# Altium PCB HVSUP_ISOL_Mainboard.PCBDOC (part 3 of 3)
Units mm, origin at the board's own origin, x right, y up, seen from the top; angles counter-clockwise.
Board outline 222.63 x 100.1 mm, 4 copper layers (Top, L2, L3, Bot), stack 1.6 mm thick; 185 components, 125 nets, 636 pads, 623 vias.
Unrouted connection lines stored in the file: 1.
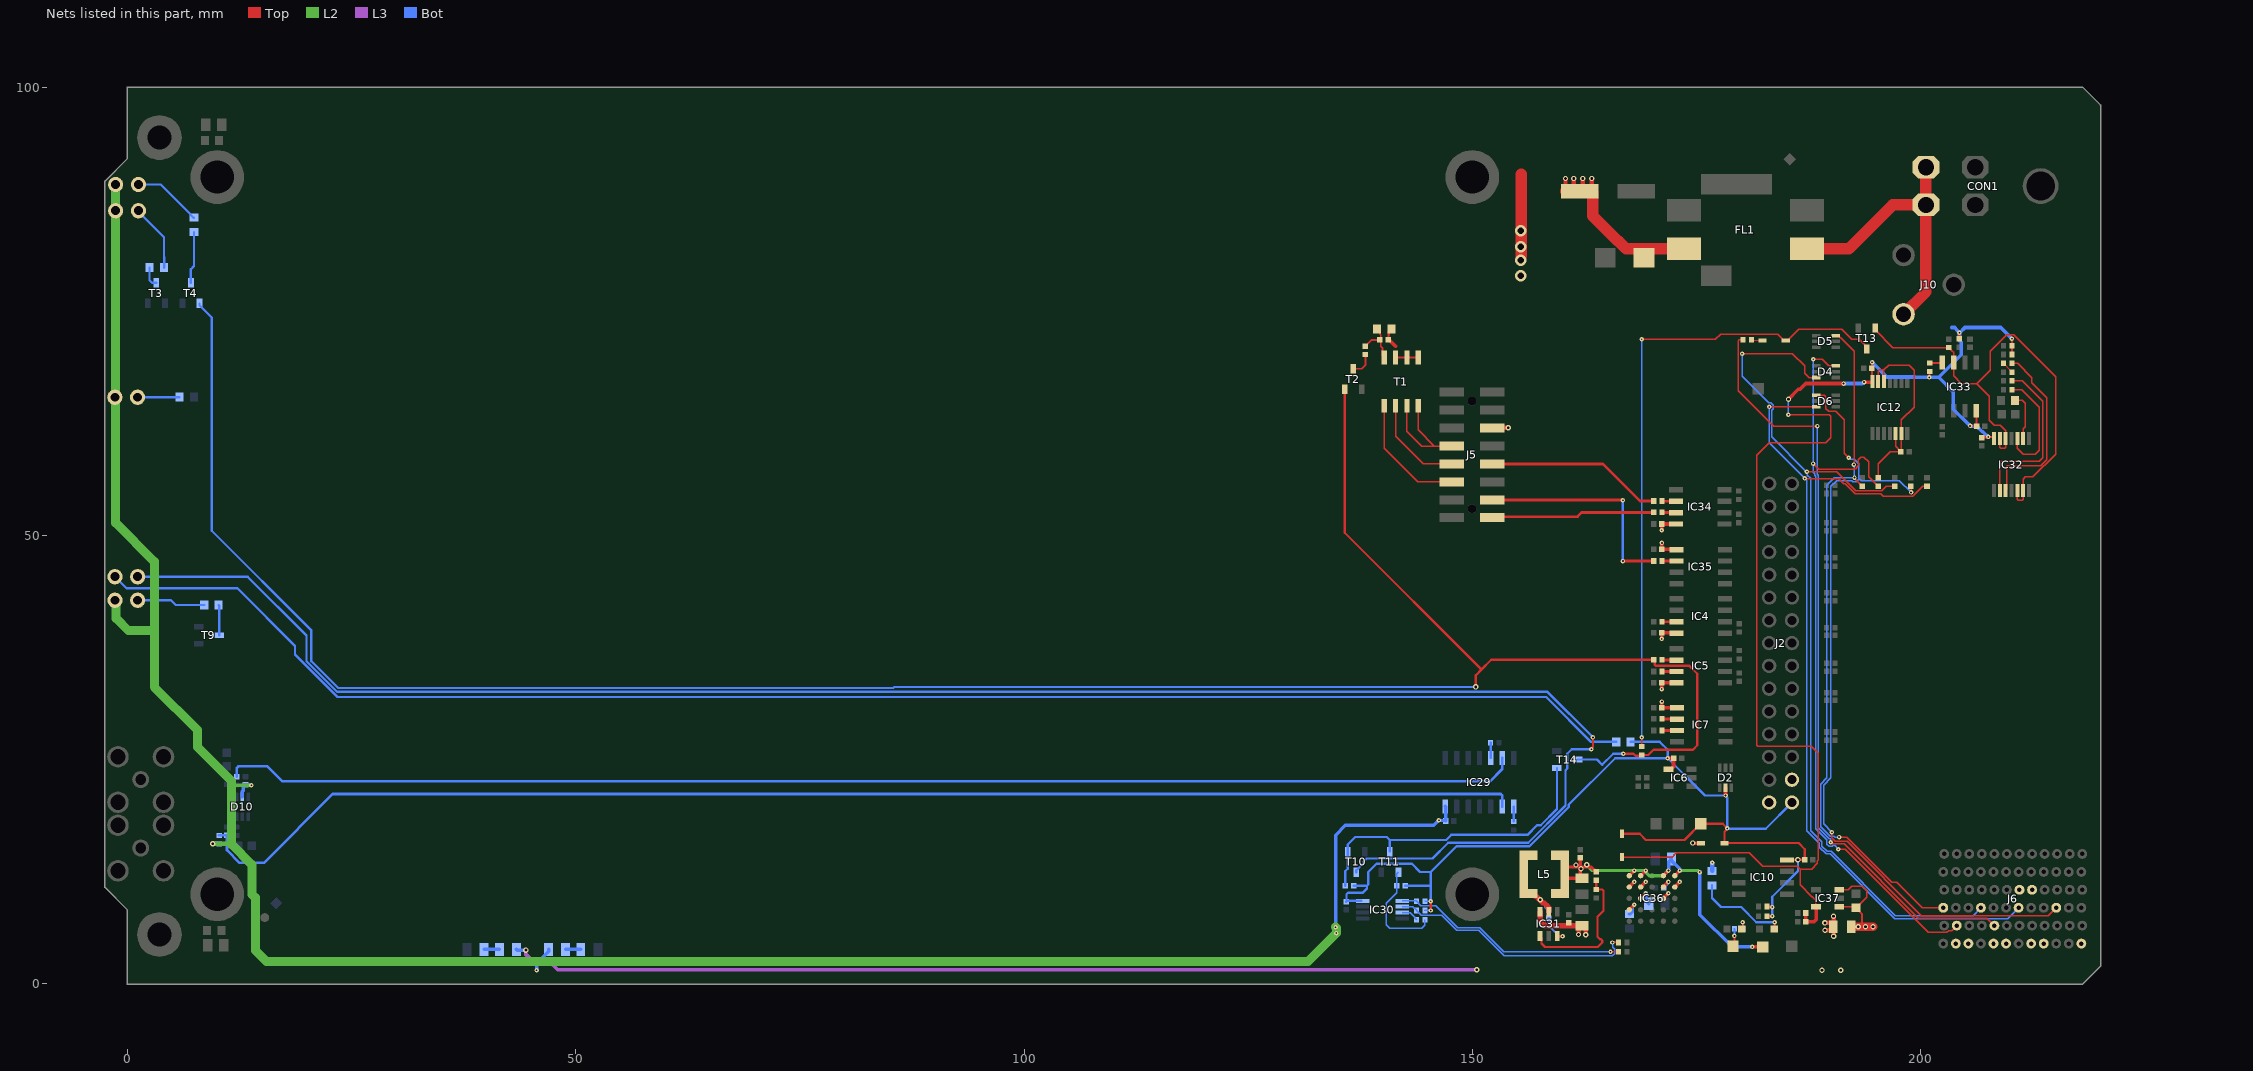
[diagram p5: the nets of this part, all layers, seen from the top]

## Via types
v1: diameter 0.5, hole 0.2, Top to Bot, tented both sides, 473 vias
v2: diameter 0.5, hole 0.2, Top to Bot, 85 vias
v3: diameter 0.6, hole 0.3, Top to Bot, 54 vias
v4: diameter 0.8, hole 0.5, Top to Bot, 5 vias
v5: diameter 1.27, hole 0.711, Top to Bot, tented both sides, 4 vias
v6: diameter 0.6, hole 0.3, Top to Bot, tented both sides, 2 vias

## Nets (pads, with @x,y where several pads share a name; then routed paths per layer and width w, separated by ;. In a path a pad name is that pad's centre, name@x,y a point inside that pad or via, vN(x,y) a via of type N, cw(c..) or ccw(c..) an arc to the next point about the centre after c; other vN are vias at no path point) (continued)
NetC99_1: C99.1 R132.1 R134.2 T1.4 | length 5.6
  Top w0.2: R134.2@138.075,71.14 138.095,71.14 138.285,71.33 138.285,71.35 138.78,71.845 C99.1@139.7,71.845 C99.1@139.788,71.845 ; R132.1@139.7,73.25 139.7,72.475 139.788,72.387 C99.1@139.788,71.845 ; T1.4@140.17,69.895 139.97,70.095 139.97,70.96 139.788,71.142 C99.1@139.788,71.845
NetC100_1: C100.1 IC31.6 | length 3.5
  Top w0.254: IC31.6@159.475,5.35 159.5,5.325 v2(160.075,5.325)
  Bot w0.254: C100.1@158.525,7.35 158.525,6.5 159.7,5.325 v2(160.075,5.325)
NetC100_2: C100.2 IC31.2 L5.1 | length 4.4
  Top w0.6: L5.1@156.751,10.064 157.067,9.748 157.151,9.748 157.872,9.027 158.027,9.027 158.376,8.678 158.376,8.637 158.525,8.488 IC31.2@158.525,8.05
  Bot w0.381: v3(157.575,9.375) 158.191,8.759 158.191,8.584 C100.2@158.525,8.25
NetD4_3: D4.3 J6.I3 R53.2 | length 100.9
  Top w0.152: v2(180.101,70.295) 185.696,70.295 187.061,68.93 ; 187.113,68.938 187.105,68.93 187.105,68.109 187.568,67.645 D4.3@188.343,67.645 ; v1(187.325,57.125) 190.665,57.125 192.761,55.029 195.695,55.029 196.188,55.522 R53.2@197.108,55.522 R53.2@197.112,55.517
  Bot w0.152: v2(180.101,70.295) 180.101,67.779 183.056,64.824 183.302,64.824 183.567,64.558 183.567,64.183 183.393,64.009 183.393,61.011 187.28,57.125 187.354,57.125 187.392,57.087 187.392,56.722 187.731,56.383 187.731,17.082 188.981,15.833 188.981,15.374 189.573,14.782 190.032,14.782 197.199,7.615 205.853,7.615 J6.I3@206.739,8.5
NetD4_6: D4.6 J6.K2 R54.2 | length 87.4
  Top w0.152: v1(188.012,58.044) 188.653,57.404 192.588,57.404 192.659,57.474 192.751,57.474 193.016,57.74 193.016,57.832 193.112,57.927 193.112,58.053 193.042,58.123 193.042,58.498 193.307,58.764 193.686,58.764 194.228,58.222 194.228,56.575 195.281,55.522 R54.2@195.301,55.522 ; v1(188.04,69.672) 189.058,69.672 189.785,68.945 D4.6@190.543,68.945 ; v1(190.817,15.032) 191.587,15.032 200.871,5.747 202.951,5.747 203.127,5.924 203.462,5.924 J6.K2@204.039,6.5
  Bot w0.152: v1(188.04,69.672) 188.026,69.658 188.026,58.059 v1(188.012,58.044) 188.012,57.473 188.057,57.428 188.057,57.084 188.214,56.927 188.214,56.745 188.319,56.64 188.319,36.864 188.291,36.836 188.291,17.312 189.539,16.064 189.539,15.606 189.804,15.34 190.179,15.34 190.281,15.442 190.407,15.442 v1(190.817,15.032)
NetD5_6: D5.6 J6.L3 R55.2 | length 77.3
  Top w0.152: D5.6@190.551,72.321 190.826,72.321 191.073,72.074 191.11,72.074 192.634,70.55 192.634,62.885 192.62,62.872 192.62,57.985 v1(192.563,57.927) ; v1(190.918,16.373) 191.748,16.373 196.776,11.346 197.361,11.346 200.207,8.5 J6.L3@202.539,8.5 ; v1@192.7,56.297 193.475,55.522 R55.2@193.495,55.522
  Bot w0.152: v1(190.918,16.373) 190.903,16.387 190.44,16.387 190.364,16.463 189.931,16.463 188.849,17.546 188.849,22.286 189.563,23 189.563,55.654 190.398,56.49 v1(192.634,56.49) 192.598,56.525 192.598,57.892 v1(192.563,57.927)
NetD6_1: D6.1 J6.C3 R51.2 | length 92.2
  Top w0.152: D6.1@188.343,65.671 189.272,65.671 189.443,65.5 189.443,64.166 189.745,63.865 190.551,63.865 191.501,62.915 191.501,59.191 v1(191.992,58.7) ; v1(190.119,16.916) 190.119,16.306 190.505,15.92 191.807,15.92 200.1,7.627 214.266,7.627 J6.C3@215.139,8.5 ; R51.2@198.914,55.522 198.945,55.49 v1(198.945,54.827)
  Bot w0.152: v1(190.119,16.916) 189.179,17.856 189.179,22.174 189.992,22.987 189.992,55.499 190.627,56.134 192.349,56.134 192.446,56.037 192.821,56.037 193.087,56.302 ; v1(191.992,58.7) 192.086,58.7 192.238,58.547 192.584,58.547 193.087,58.044 193.087,56.302 ; v1(198.945,54.827) 197.638,56.134 193.369,56.134 193.201,56.302 193.087,56.302
NetD6_3: D6.3 J6.F3 R52.2 | length 97.7
  Top w0.152: v1(183.114,64.371) 185.695,64.371 D6.3@188.343,64.371 ; v1(187.09,56.384) 187.107,56.367 190.85,56.367 191.419,55.798 191.597,55.798 192.732,54.663 195.571,54.663 195.861,54.374 199.133,54.374 199.695,54.936 199.695,54.96 200.257,55.522 R52.2@200.72,55.522
  Bot w0.152: v1(183.114,64.371) 183.114,60.391 187.09,56.416 v1(187.09,56.384) ; v1@187.106,56.4 187.325,56.18 187.325,17.094 188.702,15.718 188.702,15.259 189.457,14.503 189.916,14.503 197.144,7.275 209.714,7.275 J6.F3@210.939,8.5
NetD12_1: D12.1 R65.1 | length 1.2
  Top w0.132: R65.1@181.149,71.836 181.21,71.775 D12.1@182.365,71.775
NetIC4_7: IC4.7 R13.2 | length 1.6
  Top w0.3: R13.2@171.17,40.406 IC4.7@172.793,40.406
NetIC5_6: IC5.6 R17.2 | length 1.6
  Top w0.3: R17.2@171.17,36.15 171.185,36.135 172.768,36.135 IC5.6@172.783,36.12
NetIC5_7: IC5.7 R15.2 | length 1.6
  Top w0.3: R15.2@171.17,34.853 171.172,34.852 172.781,34.852 IC5.7@172.783,34.85
NetIC7_2: IC7.2 R18.2 | length 1.7
  Top w0.3: R18.2@171.17,29.575 171.187,29.558 172.826,29.558 IC7.2@172.843,29.541
NetIC7_3: IC7.3 R19.2 | length 1.7
  Top w0.3: R19.2@171.17,28.271 IC7.3@172.843,28.271
NetIC29_5: IC29.5 R111.1 | length 1.7
  Bot w0.254: R111.1@152.045,26.925 152.058,26.912 152.058,25.212 IC29.5@152.07,25.2
NetIC29_6: IC29.6 R110.2 | length 144.7
  Bot w0.3: R110.2@12.175,23.115 12.175,24.094 12.351,24.27 15.593,24.27 17.263,22.6 151.965,22.6 153.34,23.975 IC29.6@153.34,25.2
NetIC29_8: IC29.8 R116.1 | length 1.7
  Bot w0.254: R116.1@154.61,18.11 IC29.8@154.61,19.8
NetIC29_9: IC29.9 R113.2 R114.1 | length 149.8
  Bot w0.3: R114.1@10.2,16.57 10.205,16.575 11.08,16.575 R113.2@11.085,16.58 11.085,14.915 12.487,13.513 15.214,13.513 22.877,21.176 153.164,21.176 153.34,21 IC29.9@153.34,19.8
NetIC30_1: IC30.1 R124.1 R126.2 | length 26.5
  Top w0.15: v1(165.416,3.58) 166.287,3.58 R126.2@166.307,3.6
  Bot w0.15: IC30.1@142.175,9.266 143.73,9.266 R124.1@143.78,9.216 143.78,9.196 144.273,8.703 145.948,8.703 148.401,6.25 150.848,6.25 153.518,3.58 v1(165.416,3.58)
NetIC30_2: IC30.2 R125.1 R128.2 | length 28.1
  Top w0.15: v1(165.625,4.621) R128.2@166.307,4.621
  Bot w0.15: IC30.2@142.175,8.616 143.375,8.616 R125.1@143.78,8.211 ; R125.1@143.78,8.191 143.78,8.171 144.298,7.653 146.606,7.653 148.286,5.973 150.733,5.973 153.578,3.128 165.603,3.128 165.868,3.393 165.868,3.861 165.658,4.071 165.658,4.588 v1(165.625,4.621)
NetIC30_3: IC30.3 R127.1 | length 2
  Bot w0.15: IC30.3@142.175,7.966 142.204,7.937 143.062,7.937 143.565,7.434 143.565,7.356 R127.1@143.78,7.141
NetIC31_4: IC31.4 R135.1 R136.2 | length 16.2
  Top w0.254: IC31.4@157.575,5.35 157.723,5.202 157.723,4.522 158.12,4.125 163.995,4.125 164.492,4.621 164.492,4.832 164.343,4.981 164.25,4.981 163.954,5.276 163.954,7.495 164.625,8.166 164.625,10.385 164.476,10.534 R136.2@163.834,10.534 R135.1@163.834,11.566
NetIC33_4: IC33.4 R145.1 | length 1.5
  Top w0.254: R145.1@201.005,69.259 202.345,69.259 IC33.4@202.425,69.339
NetIC34_6: IC34.6 R10.2 | length 1.6
  Top w0.3: R10.2@171.17,53.868 171.183,53.855 172.718,53.855 IC34.6@172.732,53.841
NetIC34_7: IC34.7 R161.2 | length 1.6
  Top w0.3: R161.2@171.17,52.596 171.182,52.584 172.719,52.584 IC34.7@172.732,52.571
NetIC35_2: IC35.2 R11.2 | length 1.6
  Top w0.381: R11.2@171.17,47.175 IC35.2@172.782,47.175
NetIC36_B2: IC36.B2 R159.2 | length 1.7
  Top w0.381: IC36.B2@171.32,10.81 171.32,10.815 171.88,11.375 v2(171.88,11.38)
  Bot w0.381: R159.2@171.348,10.734 171.348,10.754 171.857,11.263 171.857,11.357 v2(171.88,11.38)
NetIC36_E4: IC36.E4 R160.2 | length 2.1
  Top w0.381: IC36.E4@167.51,8.27 167.51,8.275 168.07,8.835 v2(168.07,8.84)
  Bot w0.381: R160.2@167.51,7.8 167.56,7.8 167.82,8.06 167.82,8.557 168.07,8.808 v2(168.07,8.84)
NetJ6_H2: J6.H2 R65.2 | length 85.9
  Top w0.152: R65.2@180.209,71.836 179.737,71.836 179.648,71.746 179.648,66.191 183.609,62.23 v1(188.493,62.23) ; v1(189.992,15.793) 190.086,15.793 190.262,15.617 191.473,15.617 199.742,7.348 207.391,7.348 J6.H2@208.239,6.5
  Bot w0.152: v1(188.493,62.23) 188.493,56.861 188.598,56.756 188.598,36.749 188.57,36.72 188.57,17.43 189.816,16.184 189.965,16.184 189.99,16.16 189.99,15.795 v1(189.992,15.793)
NetLD5_1: LD5.1 R119.1 | length 7.9
  Bot w0.254: LD5.1@1.104,89.169 3.706,89.169 7.027,85.848 7.027,85.798 7.35,85.475 R119.1@7.4,85.475
NetLD6_1: LD6.1 R120.1 | length 7.7
  Bot w0.254: LD6.1@1.09,42.8 4.85,42.8 5.375,42.275 R120.1@8.55,42.275
NetLD7_1: LD7.1 T10.3 | length 208.2
  Top w0.254: v1(163.282,26.178) 163.282,26.245 163.453,26.416 v1(163.453,27.505)
  Bot w0.254: LD7.1@1.125,45.425 13.389,45.425 19.956,38.858 19.956,36.006 23.386,32.577 158.381,32.577 v1(163.453,27.505) ; T10.3@137.05,12.466 137.05,12.666 137.902,13.518 137.902,13.693 138.189,13.98 145.55,13.98 147.318,15.748 156.231,15.748 160.388,19.905 160.388,23.82 160.594,24.025 160.594,25.68 161.091,26.178 v1(163.282,26.178)
NetLD7_2: LD7.2 R121.2 | length 175.7
  Bot w0.254: LD7.2@-1.415,45.425 -0.115,44.125 12.25,44.125 18.674,37.701 18.674,36.75 23.424,32 158.245,32 163.244,27.001 R121.2@166.061,27.001
NetLD8_1: LD8.1 R117.1 | length 8.8
  Bot w0.254: LD8.1@1.104,86.25 4.05,83.304 R117.1@4.05,79.9 4.1,79.95 4.1,81.1
NetLD9_1: LD9.1 R118.1 | length 4.7
  Bot w0.254: LD9.1@1.116,65.445 5.795,65.445 R118.1@5.8,65.45
NetLD10_2: LD10.2 R131.1 | length 1.5
  Top w0.152: LD10.2@180.064,6.131 180.15,6.217 v2(180.15,6.875)
  Bot w0.152: v2(180.15,6.875) 180.15,6.176 R131.1@180.195,6.131
NetLD11_2: LD11.2 R133.2 | length 10.3
  Top w0.254: LD11.2@183.686,6.131 183.713,6.158 v2(183.713,6.875)
  Bot w0.254: R133.2@176.75,11 176.75,9.575 177.755,8.57 179.99,8.57 181.684,6.875 v2(183.713,6.875)
NetR117_2: R117.2 T3.3 | length 2.3
  Bot w0.254: R117.2@2.45,79.9 2.45,78.487 2.725,78.212 T3.3@3.204,78.212
NetR119_2: R119.2 T4.3 | length 5.8
  Bot w0.254: T4.3@7.059,78.212 7.059,79.734 7.4,80.075 R119.2@7.4,83.875
NetR120_2: R120.2 T9.3 | length 3.4
  Bot w0.254: R120.2@10.15,42.275 10.225,42.2 T9.3@10.225,38.9
NetR122_2: R122.2 T10.1 T11.3 T14.1 | length 35.7
  Bot w0.254: R122.2@135.828,10.966 135.828,12.584 136.1,12.856 T10.1@136.1,14.641 ; T10.1@136.1,14.766 136.1,15.55 136.95,16.4 140.465,16.4 140.8,16.065 ; T11.3@140.8,14.766 140.8,16.065 ; T14.1@159.444,24.075 159.444,19.499 157.634,17.69 157.229,17.69 156.166,16.626 147.657,16.626 147.096,16.065 140.8,16.065
NetR123_2: R123.2 R127.2 T11.1 | length 11.6
  Bot w0.152: T11.1@141.75,12.466 141.57,12.286 141.57,10.157 140.4,8.987 140.4,6.591 140.765,6.226 144.389,6.226 144.72,6.557 R127.2@144.72,7.141
NetR134_1: R134.1 T2.3 | length 2.7
  Top w0.2: T2.3@136.725,68.62 136.738,68.633 137.675,68.633 138.075,69.033 R134.1@138.075,70.2
NetR137_1: R137.1 R141.2 | length 1.4
  Top w0.132: R137.1@209.26,69.23 209.26,69.21 209.976,68.494 209.976,68.474 R141.2@210.2,68.25
NetR154_2: R154.2 R155.1 | length 1.7
  Bot w0.4: R154.2@48.859,3.85 R155.1@50.55,3.85
NetR156_2: R156.2 R157.1 | length 1.7
  Bot w0.4: R157.1@39.775,3.85 R156.2@41.475,3.85
P3V3: C77.2 C84.2 C85.2 C86.2 C87.2 C89.2 C91.2 C93.2 C103.2 C105.2 D7.2 D10.5 IC4.8 IC5.8 IC7.1 IC29.14 IC34.8 IC35.1 IC36.A1 IC36.B1 IC36.D1 IC36.E1 J5.11 L5.2 LD5.2 LD6.2 LD8.2 LD9.2 R114.2 R133.1 R135.2 TP2.1 | length 310.5
  Top w0.381: C103.2@162.033,14.086 v3@162.033,13.039 ; R135.2@163.834,12.506 163.814,12.506 163.282,13.039 v3@162.033,13.039 ; IC36.E1@167.51,12.08 167.51,12.085 168.07,12.645 v2(168.07,12.65) ; IC36.D1@168.78,12.08 168.78,12.085 169.34,12.645 v2(169.34,12.65) ; IC36.B1@171.32,12.08 171.32,12.085 171.88,12.645 v2(171.88,12.65) ; IC36.A1@172.59,12.08 172.59,12.085 173.15,12.645 v2(173.15,12.65) ; v3(174.585,15.717) 174.59,15.712 D7.2@175.525,15.712 ; v2(181.232,4.125) TP2.1@182.415,4.125 ; v3@162.033,13.039 162.033,11.993 C77.2@162.234,11.791 160.585,11.791 160.301,12.075 L5.2@160.301,12.207 160.301,12.755 160.585,13.039 v3@162.033,13.039
  Top w0.4: v2(171.142,32.89) 171.15,32.898 C87.2@171.15,33.58 IC5.8@172.783,33.58 ; v2(171.142,38.486) 171.15,38.494 C89.2@171.15,39.176 171.17,39.156 172.772,39.156 IC4.8@172.793,39.136 ; v2(171.142,50.617) 171.15,50.624 C84.2@171.15,51.306 171.152,51.304 IC34.8@173.209,51.304 ; v2(171.158,31.496) 171.15,31.488 C85.2@171.15,30.806 171.152,30.808 172.841,30.808 IC7.1@172.843,30.811 ; v2(171.158,49.19) 171.15,49.182 C86.2@171.15,48.5 171.177,48.473 172.755,48.473 IC35.1@172.783,48.446
  Top w0.5: J5.11@152.214,62.004 152.225,62.015 153.99,62.015 v3(154,62.025)
  L2 w0.381: v3(162.753,13.28) 162.772,13.28 163.401,12.65 v2(168.07,12.65) 169.19,12.65 169.757,12.083 171.286,12.083 171.853,12.65 v2(171.88,12.65) ; v2(173.15,12.65) 175.165,12.65 175.343,12.472 v2(175.375,12.472)
  L2 w0.4: 11.6,22.162 v2(13.815,22.162)
  L2 w0.5: v6(9.491,15.646) 11.6,15.646
  L2 w1: LD6.2@-1.415,42.8 -1.281,42.666 -1.281,40.781 0.1,39.4 3,39.4 ; LD5.2@-1.336,89.169 LD8.2@-1.336,86.25 -1.336,51.436 3,47.1 3,39.4 ; v1(134.75,6.329) 134.836,6.243 v1(134.836,5.679) 131.657,2.5 15.495,2.5 14.25,3.745 14.25,9.617 13.867,10 13.867,13.308 11.6,15.575 11.6,15.646 11.6,22.162 11.6,22.6 7.8,26.4 7.8,28.3 3,33.1 3,39.4
  Bot w0.381: D10.5@12.8,20.875 12.809,20.884 12.809,21.486 12.883,21.56 12.883,21.928 13.134,22.179 13.15,22.179 C91.2@13.166,22.179 ; v1(134.75,6.329) 134.75,16.608 135.828,17.686 145.679,17.686 146.243,18.25 v2(146.275,18.25) 146.298,18.227 146.998,18.227 C93.2@147.02,18.205 ; IC29.14@146.99,19.8 147.02,19.77 C93.2@147.02,18.205 ; C93.2@147.05,18.175 C93.2@147.02,18.205 ; v2(171.88,12.65) 171.903,12.673 171.903,13.618 C105.2@172.22,13.935 172.22,13.76 173.127,12.853 173.127,12.673 v2(173.15,12.65) ; v2(175.375,12.472) 175.375,7.739 178.989,4.125 v2(181.232,4.125)
  Bot w0.4: C91.2@13.166,22.179 13.799,22.179 v2(13.815,22.162)
  Bot w0.5: v6(9.491,15.646) 9.507,15.63 R114.2@10.2,15.63 ; R133.1@176.75,12.6 176.775,12.625 v2(176.775,13.525)
  other v3: 162.122,12.864 161.562,13.263
P3V3_CPCIS: C78.2 C80.2 C83.2 C107.2 C108.2 D13.2 IC12.14 IC32.14 IC33.8 IC37.5 R142.2 R143.2 R145.2 R146.1 | length 152.2
  Top w0.15: D13.2@166.7,14.15 172.293,14.15 172.775,14.633 180.867,14.633 182.373,13.126 186.257,13.126 186.575,12.808 ; v2(185.268,63.499) 189.791,63.499 189.992,63.298 189.992,60.913 189.443,60.364 183.141,60.364 181.75,58.973 181.75,26.616 181.866,26.501 187.805,26.501 188.565,25.741 188.565,13.778 188.506,13.719 188.506,13.436 187.878,12.808 186.575,12.808 ; IC37.5@188.338,8.615 188.338,9.342 187.93,9.75 187.863,9.75 186.575,11.038 186.575,12.808
  Top w0.254: C78.2@194.576,68.684 194.598,68.662 194.598,67.247 IC12.14@194.62,67.225 ; C78.2@194.589,68.697 v2@194.589,69.332 ; v2@200.992,67.67 R145.2@200.992,68.306 ; R146.1@204.331,71.984 v2@204.331,72.619 ; v2(205.52,62.25) 205.538,62.232 206.237,62.232 C80.2@206.245,62.224 ; IC33.8@206.235,63.939 206.245,63.929 C80.2@206.245,62.224 ; C80.2@206.255,62.214 C80.2@206.245,62.224 ; C83.2@206.845,60.95 206.876,60.98 207.513,60.98 v2(207.543,61.011) 208.097,61.011 208.195,60.913 IC32.14@208.195,60.84 ; R142.2@210.2,70.211 R143.2@210.2,71.191 210.2,71.975 v2(210.202,71.976)
  Top w0.4: v3(185.268,65.227) 186.366,66.325 186.556,66.325 187.205,66.974 v1(191.419,66.974) ; C107.2@187.205,7.909 C108.2@187.205,6.944 188.115,6.944 188.352,7.182 188.352,8.515 188.338,8.53 IC37.5@188.338,8.615 ; v1(193.702,67.129) 194.595,67.129 194.62,67.154 IC12.14@194.62,67.225
  Bot w0.15: v2(185.268,63.499) v3(185.268,65.227)
  Bot w0.4: v1(191.419,66.974) 193.52,66.974 193.675,67.129 v1(193.702,67.129) ; v2(194.602,69.345) 196.248,67.7 199.37,67.7 199.412,67.657 v2(200.979,67.657) 202.02,67.657 ; 203.485,73.22 203.82,73.22 204.057,72.982 204.057,72.946 204.344,72.659 v2(204.344,72.632) ; v2(207.543,61.011) 207.542,61.011 206.942,61.611 206.871,61.611 206.252,62.231 205.539,62.231 v2(205.52,62.25) 203.655,64.115 203.655,66.022 202.02,67.657 ; v2(210.202,71.976) 208.958,73.22 204.958,73.22 204.371,72.632 v2(204.344,72.632) ; 202.02,67.657 204.551,70.188 204.551,71.582 204.351,71.782 204.351,72.625 v2(204.344,72.632)
P3V3_MP: C88.2 C90.2 C96.2 D2.5 D7.1 D13.1 IC6.4 IC10.8 IC30.8 J2.30 R121.1 R122.1 R123.1 R124.2 R125.2 R152.2 R153.2 TP7.1 | length 121.4
  Top w0.254: v2(145.358,8.191) 145.362,8.195 145.362,9.22 v2(145.366,9.224) ; D13.1@166.7,16.75 168.674,16.75 169.359,16.065 173.661,16.065 TP7.1@175.466,17.87 177.925,17.87 v2(178.446,17.349) 178.446,17.283 178.125,16.962 D7.1@178.125,15.712 186.417,15.712 187.094,15.036 C90.2@187.094,13.83 187.084,13.84 186.335,13.84 v3(186.325,13.85) 186.325,13.83 IC10.8@185.125,13.83 ; R152.2@182.861,7.542 183.427,7.542 v2(183.455,7.57) ; R153.2@182.861,8.637 182.895,8.603 183.421,8.603 v2(183.455,8.57)
  Top w0.4: v2(171.791,25.176) 171.799,25.168 C88.2@172.481,25.168 172.445,25.133 172.445,24.258 172.118,23.931 IC6.4@171.868,23.931 ; v2@178.248,21.02 D2.5@178.248,21.9
  Bot w0.152: R125.2@144.712,8.183 R125.2@144.72,8.191 v2(145.358,8.191) ; R124.2@144.72,9.216 144.728,9.224 v2(145.366,9.224)
  Bot w0.254: C96.2@135.95,9.153 C96.2@135.978,9.181 ; R122.1@136.768,10.966 138.251,10.966 ; IC30.8@137.625,9.266 136.063,9.266 C96.2@135.978,9.181 ; R123.1@142.51,10.966 145.253,10.966 145.366,10.854 ; v2(145.366,9.224) 145.366,10.854 ; R121.1@167.661,27.001 170.917,27.001 171.791,26.126 v2(171.791,25.176) ; v2(183.455,7.57) v2(183.455,8.57) 183.455,9.721 186.325,12.592 v3(186.325,13.85) ; J2.30@185.654,20.238 182.725,17.309 178.486,17.309 v2(178.446,17.349) 178.446,20.755 178.247,20.953 v2(178.247,21.02) 175.948,21.02 v2(171.791,25.176) ; C96.2@135.978,9.181 135.978,10.008 136.127,10.157 137.757,10.157 138.251,10.651 138.251,10.966 ; 138.251,10.966 138.4,11.115 138.4,12.484 139.317,13.4 143.263,13.4 144.179,12.484 145.366,12.484 ; 145.366,10.854 145.366,12.484 ; 145.366,12.484 148.249,15.367 156.389,15.367 160.769,19.747 160.769,20.001 165.944,25.176 v2(171.791,25.176)
P12V0: C98.1 C99.2 C101.2 C102.2 C104.2 D11.1 FL1.2 IC31.3 IC36.A2 IC36.B3 IC36.D2 IC36.D3 IC36.E2 J2.28 J2.29 R131.2 R132.2 R149.1 T1.1 T1.2 T1.3 TP1.1 | length 56.6
  Top w0.203: T1.3@141.44,69.895 T1.2@142.71,69.895 T1.1@143.98,69.895
  Top w0.254: 140.918,71.662 140.783,71.662 C99.2@140.6,71.845 140.651,71.897 140.651,72.388 140.671,72.407 140.671,72.751 R132.2@140.989,73.069 ; TP1.1@179.075,4.188 179.239,4.352 v2(179.239,5.35) ; R149.1@190.289,6.377 R149.1@190.294,6.383
  Top w0.381: IC36.E2@167.51,10.81 167.51,10.815 168.07,11.375 v2(168.07,11.38) ; IC36.D3@168.78,9.54 168.78,9.545 169.34,10.105 v2(169.34,10.11) ; IC36.D2@168.78,10.81 168.78,10.815 169.34,11.375 v2(169.34,11.38) ; IC36.B3@171.32,9.54 171.32,9.545 171.88,10.105 v2(171.88,10.11) ; IC36.A2@172.59,10.81 172.59,10.815 173.15,11.375 v2(173.15,11.38)
  Top w0.4: 140.918,71.662 141.44,71.14
  Top w0.5: C98.1@160.396,88.665 160.396,89.829 v3(160.396,89.85) ; C98.1@161.326,88.686 v3(161.326,89.85) ; v3(161.85,5.52) 161.85,6.507 C102.2@161.85,6.683 ; C98.1@162.335,88.637 162.335,89.8 v3(162.335,89.85) ; v3(162.669,5.503) C102.2@162.669,6.667 ; C98.1@163.329,88.637 163.329,89.8 v3(163.329,89.85) ; v3(189.336,6.803) R149.1@190.294,6.803 ; v3(189.341,5.976) R149.1@190.299,5.976 ; R149.1@190.294,6.383 R149.1@190.294,6.803 ; v3(190.294,7.547) R149.1@190.294,6.803 ; v3(190.299,5.313) R149.1@190.299,5.976 ; R149.1@190.299,6.477 R149.1@190.299,5.976 ; R149.1@190.5,6.803 R149.1@190.294,6.803 ; R149.1@190.505,5.976 R149.1@190.299,5.976
  Top w0.6: IC31.3@157.575,8.05 157.575,7.025 158.093,6.507 161.85,6.507 C102.2@162.234,6.507
  Top w1.27: v5@155.475,81.195 155.475,90.3 ; C98.1@160.396,88.435 161.326,88.435 C98.1@161.996,88.435 163.271,88.435 163.436,88.27 163.436,85.664 166.263,82.837 166.316,82.837 167.153,82 FL1.2@173.625,82
  Bot w0.254: v2(179.239,5.35) 179.247,5.358 179.247,6.123 R131.2@179.255,6.131
  Bot w0.4: v2(169.34,10.11) 169.34,10.083 169.375,10.048 169.375,9.275 C104.2@169.7,8.95
  other v5: 155.4,79 155.4,80.719 155.4,82.25 155.4,84
P12V0_CPCIS: C106.2 IC37.1 IC37.3 J6.A1 J6.D1 J6.E1 J6.G1 J6.H1 J6.J1 J6.K1 R149.2 | length 12.8
  Top w0.2: IC37.3@190.688,10.515 IC37.3@190.938,10.515 191.932,10.515 192.306,10.889 193.53,10.889 194.005,10.414 194.005,9.667 C106.2@192.813,8.475 ; IC37.1@190.938,8.615 192.648,8.615 C106.2@192.788,8.475 C106.2@192.813,8.475 ; v3(193.069,6.377) 193.069,6.434 193.465,6.83 193.465,7.823 C106.2@192.813,8.475
  Top w1: R149.2@192.508,6.377 v3(193.069,6.377) v3(193.861,6.377) v3(194.696,6.377) ; J6.A1@217.92,4.481 J6.A1@217.939,4.5
P12V0_SW: J5.6 J5.8 J5.10 T1.5 T1.6 T1.7 T1.8 | length 38.6
  Top w0.152: T1.5@140.17,64.495 140.17,59.755 143.921,56.004 J5.6@147.714,56.004 ; T1.6@141.44,64.495 141.44,61.085 144.521,58.004 J5.8@147.714,58.004 ; T1.7@142.71,64.495 142.71,61.665 144.371,60.004 145.771,60.004 ; T1.8@143.98,64.495 143.98,61.795 145.771,60.004 ; J5.10@147.714,60.004 145.771,60.004
P12V0F: CON1.3 CON1.4 FL1.1 J10.3 | length 32.7
  Top w1.27: FL1.1@187.325,82 192.007,82 196.907,86.9 CON1.4@200.6,86.9 ; J10.3@198.108,74.7 200.6,77.193 CON1.4@200.6,86.9 ; CON1.3@200.6,91.1 CON1.4@200.6,86.9
PE_CLK.CLK_N: J6.F4
PE_CLK.CLK_P: J6.E4
PSU_EN: R17.1 R144.1 T2.1 T4.1 T14.3 | length 264.1
  Top w0.254: T2.1@135.775,66.32 135.775,50.331 151.04,35.065 ; v6(150.4,33.131) 150.4,34.425 151.04,35.065 ; v1(166.861,25.68) 167.971,25.68 168.206,25.445 168.798,25.445 R144.1@168.897,25.545 169.639,25.545 170.223,26.129 174.612,26.129 175.1,26.616 175.1,34.6 174.222,35.478 170.487,35.478 170.338,35.627 170.338,36.042 R17.1@170.23,36.15 152.125,36.15 151.04,35.065
  Bot w0.254: T4.1@8.009,75.912 8.009,75.712 9.375,74.346 9.375,50.55 20.5,39.425 20.5,36.001 23.501,33 85.412,33 85.543,33.131 v6(150.4,33.131) ; T14.3@161.744,25.025 163.9,25.025 164.482,24.443 165.719,25.68 v1(166.861,25.68)
PWR_GA0: IC32.3 R137.2 | length 20.2
  Top w0.152: IC32.3@209.495,55.04 209.597,55.142 209.597,57.736 209.686,57.825 213.41,57.825 214.078,58.493 214.078,65.405 212.422,67.061 212.422,67.63 210.821,69.23 R137.2@210.2,69.23
PWR_GA1: IC32.2 R140.2 | length 18.8
  Top w0.152: IC32.2@208.845,55.04 208.845,58.222 208.934,58.311 213.247,58.311 213.636,58.7 213.636,64.984 211.351,67.269 R140.2@210.2,67.269
PWR_GA2: IC32.10 R139.2 | length 12.6
  Top w0.152: R139.2@210.2,66.289 211.28,66.29 213.247,64.323 213.247,59.552 212.795,59.1 211.446,59.1 210.795,59.751 IC32.10@210.795,60.84
  Top w0.254: R139.2@210.2,66.289 R139.2@210.2,66.289
PWR_GA3: IC32.9 R138.2 | length 5.3
  Top w0.152: R138.2@210.555,65.089 211.372,65.089 211.661,64.8 211.661,62.17 211.445,61.954 IC32.9@211.445,60.84
RST: IC32.5 IC32.6 IC32.12 IC32.13 IC33.3 R147.2 T13.1 | length 57.7
  Top w0.152: T13.1@194.95,73.15 194.95,72.95 196.92,70.98 R147.2@203.124,70.98 203.144,70.98 203.536,70.588 203.547,70.588 203.695,70.44 IC33.3@203.695,69.339 203.695,67.845 204.567,66.974 206.252,66.974 ; IC32.13@208.845,60.84 208.845,59.84 208.934,59.751 209.38,59.751 209.495,59.865 IC32.12@209.495,60.84 209.495,61.725 208.915,62.305 208.237,62.305 207.657,62.885 207.657,65.568 206.252,66.974 ; IC32.5@210.795,55.04 210.795,54.082 210.902,53.976 211.349,53.976 211.445,54.072 IC32.6@211.445,55.04 211.445,56.312 211.681,56.548 212.528,56.548 215.084,59.104 215.084,67.735 210.389,72.429 209.611,72.429 207.759,70.577 207.759,68.48 206.252,66.974
RSTN: D12.2 R144.2 T13.3 | length 72.6
  Top w0.152: R144.2@168.897,26.485 v1(168.897,27.505) ; v1(168.91,71.907) 177.129,71.907 177.696,72.474 184.065,72.474 184.765,71.775 D12.2@184.965,71.775 185.165,71.775 186.393,73.003 191.238,73.003 192.332,71.909 193.141,71.909 194,71.05 T13.3@194,70.85
  Bot w0.152: v1(168.897,27.505) 168.904,27.511 168.904,71.901 v1(168.91,71.907)
SCKI: J5.7 R10.1 | length 19.7
  Top w0.3: J5.7@152.214,58.004 164.571,58.004 168.707,53.868 R10.1@170.23,53.868
SDI: J5.1 R161.1 | length 18.3
  Top w0.3: J5.1@152.214,52.004 152.335,52.125 161.725,52.125 162.196,52.596 R161.1@170.23,52.596
SDO: J5.3 R11.1 | length 24.8
  Top w0.3: J5.3@152.214,54.004 152.243,53.975 166.768,53.975 v2(166.8,53.943) ; v2(166.795,47.175) R11.1@170.23,47.175
  Bot w0.3: v2(166.795,47.175) 166.8,47.18 v2(166.8,53.943)
SERVMOD: IC12.5 IC12.6 IC12.12 IC12.13 R50.2 R54.1 | length 23.7
  Top w0.152: IC12.13@195.27,67.225 195.27,68.419 195.345,68.494 195.92,68.494 ; R54.1@195.301,56.462 195.301,58.05 196.601,59.35 R50.2@197.8,59.35 ; IC12.12@195.92,67.225 195.92,68.494 ; IC12.5@197.22,61.425 197.22,59.95 197.8,59.37 R50.2@197.8,59.35 ; 195.92,68.494 196.467,69.041 198.718,69.041 199.285,68.474 199.285,64.339 197.87,62.924 IC12.6@197.87,61.425 197.87,59.42 R50.2@197.8,59.35
STRIP1: R156.1 | length 108.4
  Top w0.4: v3@44.408,3.75 v3(44.432,3.774)
  L3 w0.4: v3(44.432,3.774) 44.432,3.285 45.167,2.55 47,2.55 47.975,1.575 v3(150.5,1.575)
  Bot w0.4: R156.1@43.375,3.85 43.451,3.774 v3(44.432,3.774)
  other v3: 189.005,1.534 191.1,1.534
STRIP2: R154.1 | length 2.9
  Bot w0.381: v2(45.625,1.525) 45.648,1.548 45.648,2.314 46.959,3.625 R154.1@46.959,3.85
pads on no net: CON1.9 D2.1 D2.6 D4.1 D4.4 D4.5 D5.4 D5.5 D6.4 D6.5 D6.6 D10.1 D10.6 FTG5.FTG2 FTG6.1 FTG7.1 FTG8.1 IC4.3 IC4.4 IC4.6 IC6.5 IC10.7 IC29.1 IC29.2 IC29.3 IC29.4 IC29.10 IC29.11 IC29.12 IC29.13 IC31.5 IC35.5 IC35.6 IC36.A3 IC36.A4 IC36.A5 IC36.B4 IC36.C3 IC36.C4 IC36.D4 IC36.E3 IC36.E5 IC37.4 J5. J5.12 J6.A5 J6.B1 J6.B5 J6.B6 J6.C6 J6.D5 J6.E2 J6.E5 J6.F2 J6.G3 J6.H3 J6.H6 J6.I2 J6.I6 J6.J3 J6.K3 J6.K6 J6.L2 J6.L6 J10.2

## Polygon pours and split planes (outlines as drawn)
GND on Bot "GND_L04_P021" (solid, remove dead copper, pour order 21): -0.724,91.328 -0.724,89.553 -1.415,89.553 -1.415,9.026 -0.749,8.353 4.901,8.353 6.001,7.253 6.001,3.078 6.334,2.745 219.4,2.745 219.4,97.053 6.076,97.053 5.751,96.728 5.776,96.703 5.776,92.103 5.001,91.328 -0.549,91.328
STRIP1 on Bot "STRIP1_L04_P004" (solid, pour order 4): 217.519,0.962 217.536,0.962 218.776,2.202 119.986,2.202 119.986,0.962
STRIP2 on Bot "esd1" (solid, pour order 5): 82.919,0.962 99.986,0.962 99.986,2.231 44.986,2.231 44.986,0.962
CHASSIS on Bot "esd1" (solid, pour order 3): 0.236,2.232 39.986,2.232 39.986,1.012 0.236,1.012
GND on Top "GND_L01_P006" (solid, remove dead copper, pour order 6): 202,53.575 202,46.775 219.775,46.775 219.775,53.575
STRIP1 on Top "esd1" (solid, pour order 1): 217.519,0.962 217.536,0.962 218.776,2.202 119.986,2.202 119.986,0.962
P12V0 on Top "P12V0_L01_P010" (solid, pour order 10): 141.058,68.325 146.169,68.325 157.525,79.681 157.525,86.725 157.901,87.101 164.391,87.101 165.146,87.855 165.146,90.195 164.041,91.3 154.7,91.3 153.675,90.275 153.675,83.85 141.325,71.5 141.083,71.5
P12V0_SW on Top "P12V0_SW_L01_P009" (solid, pour order 9): 139.785,66.31 139.175,65.7 139.175,58.2 142.525,54.85 149.703,54.85 150.25,55.397 150.25,61.125 150,61.375 146.725,61.375 144.875,63.225 144.875,66.332
STRIP2 on Top "STRIP2_L01_P002" (solid, pour order 2): 82.919,0.962 99.986,0.962 99.986,2.242 44.986,2.242 44.986,0.962
CHASSIS on Top "esd1" (solid, pour order 0): 0.236,2.242 39.986,2.242 39.986,1.012 0.236,1.012
GND on L3 "GND_L03_P019" (solid, pour order 19): 0.635,91.269 0.635,89.494 -1.865,89.494 -1.865,10.794 0.61,8.294 6.26,8.294 11.785,2.769 219.1,2.769 219.1,96.869 7.135,96.869 7.135,92.044 6.36,91.269 0.81,91.269
P12V0_CPCIS on L3 "L3-P12V0_CPCIS" (solid, pour order 24): 192.075,2.055 219.05,2.055 219.034,5.105 197.714,5.105 197.714,7.155 192.075,7.155
GND on L2 "GND_L02_P028" (solid, remove dead copper, pour order 28): 179.325,24.51 191.75,24.51 191.75,12.65 191.75,2.5 219.043,2.5 219.043,95.733 179.325,95.733
P12V0 on L2 "P12V0_L02_P029" (solid, pour order 29): 179.368,24.018 179.386,24 191.34,24 191.34,3.673 190.418,2.75 141.75,2.75 136.5,8 136.5,80.25 141.5,85.25 177.22,85.25 178.516,83.953 178.516,66.923 176.687,65.093 141.843,65.093 141,64.25 141,12.205 141.825,11.38 152.264,11.38 152.634,11.75 177.507,11.75 178.446,12.689 178.446,23.096
P3V3 on L2 "P3V3_L02_P026" (solid, pour order 26): 178.306,63.887 178.283,63.865 141.589,63.865 141.589,12.083 178.19,12.083

## Keep-outs
Top:
  lines w0.254: 0.453,8.689 4.9,8.689 6.35,7.239 6.35,6.475 ; 0.622,91.389 5.639,91.389 6.325,92.075 6.325,93.523 ; 6.325,95.174 6.325,96.597 6.782,97.053 139.743,97.053 ; 6.35,4.7 6.35,3.251 6.826,2.775 19.937,2.746 53.797,2.746 ; 53.523,2.721 56.137,2.721 161.775,2.717 219.775,2.717 ; 160.45,97.053 219.35,97.053 ; 169.743,97.053 189.453,97.053
Bot:
  lines w0.152: 6.888,2.713 37.213,2.713 ; 51.5,2.713 68.788,2.713
  lines w0.254: 0.025,91.389 5.639,91.389 6.325,92.075 6.325,96.573 6.805,97.053 159.45,97.053 ; 0.356,8.712 4.801,8.712 6.35,7.163 6.35,6.475 ; 6.35,7.214 6.35,6.475 ; 6.888,2.713 6.553,3.048 6.35,3.251 6.35,4.7 6.35,4.775 6.629,5.055 6.629,6.196 6.35,6.475 ; 68.788,2.713 148.865,2.713 ; 148.865,2.718 219.242,2.713 ; 160.375,97.053 219.4,97.053 ; 178.865,2.713 189.563,2.713

## Other copper
Top:
  rectangle net GND: 146.707,5.048 153.25,14.086
  rectangle net GND: 147,86.25 153,93.5
  rectangle net GND: 6.652,86.75 13.4,92.985
  rectangle net GND: 6.838,7 13.175,13.25
  rectangle net GND: 160.075,8.05 161.562,9.238
  rectangle net CHASSIS: 1.061,1.65 6.05,5.528
  rectangle net P3V3: 161.25,12.546 163.129,13.6
  pour cut-out: 163.188,8.957 163.188,4.73 164.088,4.73 164.088,9.05
  pour cut-out: 157.276,14.857 158.776,14.857 158.776,15.257 157.276,15.257
Bot:
  rectangle net P3V3: 134.351,5.532 135.149,6.557
  pour cut-out: 15,13.9 15.048,13.948 15.048,23.513 14.705,23.513 14.689,23.497 14.689,13.949
  pour cut-out: 8.85,38.675 9.375,38.675 9.375,38.175 8.937,38.175 8.85,38.262

## Silkscreen, mask and mechanical layers (free items; w line width, h text height)
TopOverlay:
  drawing of 1207 lines, arcs and shapes, not listed
  text "+12V" at 172.4,91 h1.02
  text "PSU En" at 6.7,84.98 h1.5
  text "INT0" at 0.254,83 h1.5
  text "GND" at 176.1,65.755 h1.5
  text "P3V3" at 3.315,64.713 h1.5
  text "EEM" at 182.25,61.7 h1.52
  text "Overtemp" at 3.252,44.693 h1.5
  text "HV_INTERLOCK" at 3.252,41.818 h1.5
  text "WUT ISE 2023" at 216.384,30.425 h1.02 r90
  text "HVPSU ISOL v1.1" at 213.705,26.283 h1.5 r90
  text "P3V3_MP" at 169.487,19.877 h1
  text "SCL" at 170.641,13.641 h1 r52.73
  text "SDA" at 168.571,13.619 h1 r52.73
  text "GND" at 187.613,3.947 h1
  text "P12V0" at 168.5,3.781 h1
  text "P3V3" at 173.993,3.781 h1
BottomOverlay:
  drawing of 964 lines, arcs and shapes, not listed
  text "HVPSU ISOL v1.1" at 80.633,75.117 h1.5
  text "WUT ISE 2023" at 75.852,72.138 h1.02
TopSolder:
  rectangle: 119.981,0.958 160.778,2.241
  rectangle: 160.514,0.94 218.8,2.2
  rectangle: 44.983,0.955 99.987,2.251
  rectangle: 0.2,1 40,2.3
  region: 206.037,51.755 206.037,48.255 220,48.255 220,51.755
BottomSolder:
  rectangle: 119.994,0.964 159.505,2.247
  rectangle: 0.212,1.005 40.012,2.305
  rectangle: 44.995,0.96 99.999,2.256
  rectangle: 159.047,0.964 218.812,2.224
  region: 206.037,51.755 206.037,48.255 220,48.255 220,51.755
Mechanical1:
  lines w0.1: -2.489,10.809 0,8.32 0,0 159.995,0 218.039,0 220.039,2 220.039,98 218.039,100 159.995,100 0,100 0,92 -1,91 -2.489,89.511 -2.489,22.645 ; -2.489,10.82 -2.489,15.138 ; -2.489,15.145 -2.489,22.645 ; -2.489,22.645 -2.489,22.645
Mechanical4:
  lines w0.1: -2.6,-14.238 -2.6,117.232
  lines w0.15: -5.044,-14.194 -5.044,114.162
  lines w0.3: 0.482,44 1.75,44 ; 0.482,61 1.75,61 ; 0.914,79.4 1.014,79.5 2.5,79.5 ; 1.232,28.95 2.5,28.95 ; 1.232,35.5 2.5,35.5 ; 1.232,52.5 2.5,52.5 ; 1.232,69.5 2.5,69.5 ; 1.232,76.5 2.5,76.5 3.759,76.5 ; 1.232,86.5 2.5,86.5 ; 1.739,45.562 1.75,45.551 1.75,44 ; 1.739,62.562 1.75,62.551 1.75,61 ; 1.75,42.652 1.75,44 ; 1.75,59.652 1.75,61 ; 2.288,5.512 3.556,5.512 ; 2.464,74.854 2.5,74.89 2.5,79.5 ; 2.489,30.512 2.5,30.501 2.5,28.95 ; 2.489,37.062 2.5,37.051 2.5,35.5 ; 2.489,54.062 2.5,54.051 2.5,52.5 ; 2.489,71.062 2.5,71.051 2.5,69.5 ; 2.489,88.062 2.5,88.051 2.5,86.5 ; 2.5,27.602 2.5,28.95 ; 2.5,34.152 2.5,35.5 ; 2.5,51.152 2.5,52.5 ; 2.5,68.152 2.5,69.5 ; 2.5,81.712 2.5,79.5 ; 2.5,85.152 2.5,86.5 ; 3.545,7.074 3.556,7.063 3.556,5.512 ; 3.556,4.163 3.556,5.512 ; 3.606,44 1.75,44 ; 3.606,61 1.75,61 ; 3.759,79.5 2.5,79.5 ; 4.356,28.95 2.5,28.95 ; 4.356,35.5 2.5,35.5 ; 4.356,52.5 2.5,52.5 ; 4.356,69.5 2.5,69.5 ; 4.356,86.5 2.5,86.5 ; 5.412,5.512 3.556,5.512
DrillDrawing:
  drawing of 295 lines, arcs and shapes, not listed
  text "Layer" at 22.606,150.342 h1.52
  text "Name" at 33.018,150.342 h1.52
  text "Material" at 55.11,150.342 h1.52
  text "Thickness" at 76.948,150.342 h1.52
  text "Constant" at 93.454,150.342 h1.52
  text "Board Layer Stack" at 107.928,150.342 h1.52
  text "TopOverlay" at 33.018,147.294 h1.52
  text "TopSolder" at 33.018,144.246 h1.52
  text "Solder Resist" at 55.11,144.246 h1.52
  text "0.010mm" at 76.948,144.246 h1.52
  text "3.5" at 93.454,144.246 h1.52
  text "1" at 22.606,141.198 h1.52
  text "Top" at 33.018,141.198 h1.52
  text "0.035mm" at 76.948,141.198 h1.52
  text "Dielectric1" at 33.018,138.15 h1.52
  text "FR-4" at 55.11,138.15 h1.52
  text "0.180mm" at 76.948,138.15 h1.52
  text "4.2" at 93.454,138.15 h1.52
  text "2" at 22.606,135.102 h1.52
  text "L2" at 33.018,135.102 h1.52
  text "0.035mm" at 76.948,135.102 h1.52
  text "Dielectric 3" at 33.018,132.054 h1.52
  text "FR-4" at 55.11,132.054 h1.52
  text "1.100mm" at 76.948,132.054 h1.52
  text "4.2" at 93.454,132.054 h1.52
  text "3" at 22.606,129.006 h1.52
  text "L3" at 33.018,129.006 h1.52
  text "0.035mm" at 76.948,129.006 h1.52
  text "Dielectric2" at 33.018,125.958 h1.52
  text "FR-4" at 55.11,125.958 h1.52
  text "0.180mm" at 76.948,125.958 h1.52
  text "4.2" at 93.454,125.958 h1.52
  text "4" at 22.606,122.91 h1.52
  text "Bot" at 33.018,122.91 h1.52
  text "0.035mm" at 76.948,122.91 h1.52
  text "BottomSolder" at 33.018,119.862 h1.52
  text "Solder Resist" at 55.11,119.862 h1.52
  text "0.010mm" at 76.948,119.862 h1.52
  text "3.5" at 93.454,119.862 h1.52
  text "BottomOverlay" at 33.018,116.814 h1.52

## Text inside footprints (layer, text, board x,y; h text height)
IC36: Mechanical14 "E" at 167.383,13.35 h0.4 r270; Mechanical14 "D" at 168.653,13.35 h0.4 r270; Mechanical14 "C" at 169.923,13.35 h0.4 r270; Mechanical14 "B" at 171.193,13.35 h0.4 r270; Mechanical14 "A" at 172.463,13.35 h0.4 r270; Mechanical14 "1" at 173.614,12.207 h0.4 r270; Mechanical14 "2" at 173.614,10.937 h0.4 r270; Mechanical14 "3" at 173.614,9.667 h0.4 r270; Mechanical14 "4" at 173.614,8.397 h0.4 r270; Mechanical14 "5" at 173.614,7.127 h0.4 r270
J2: TopOverlay "30" at 187.051,20.873 h1.02 r270; Mechanical14 "30" at 187.051,20.873 h1.02 r270
J6: TopOverlay "A" at 218.464,16.95 h1 r90; TopOverlay "B" at 217.064,16.95 h1 r90; TopOverlay "C" at 215.664,16.95 h1 r90; TopOverlay "D" at 214.264,16.025 h1 r90; TopOverlay "E" at 212.864,16.025 h1 r90; TopOverlay "6" at 198.225,14.075 h1 r90; TopOverlay "5" at 198.225,12.125 h1 r90; TopOverlay "4" at 198.2,10.175 h1 r90; TopOverlay "3" at 198.25,8.175 h1 r90; TopOverlay "F" at 211.464,16.025 h1 r90; TopOverlay "G" at 210.064,16.025 h1 r90; TopOverlay "H" at 208.664,16.025 h1 r90; TopOverlay "I" at 207.264,16.275 h1 r90; TopOverlay "J" at 205.864,16.025 h1 r90; TopOverlay "K" at 204.464,16.025 h1 r90; TopOverlay "2" at 198.239,6.15 h0.95 r90; TopOverlay "L" at 203.064,16.025 h1 r90; TopOverlay "1" at 198.239,4.15 h1 r90; Mechanical14 "A" at 218.439,1.3 h1 r90; Mechanical14 "B" at 217.039,1.3 h1 r90; Mechanical14 "C" at 215.639,1.3 h1 r90; Mechanical14 "D" at 214.239,2.3 h1 r90; Mechanical14 "E" at 212.839,2.3 h1 r90; Mechanical14 "6" at 197.989,14.15 h1 r90; Mechanical14 "5" at 197.989,12.15 h1 r90; Mechanical14 "4" at 197.989,10.15 h1 r90; Mechanical14 "3" at 197.989,8.15 h1 r90; Mechanical14 "F" at 211.439,2.3 h1 r90; Mechanical14 "G" at 210.039,2.3 h1 r90; Mechanical14 "H" at 208.639,2.3 h1 r90; Mechanical14 "I" at 207.239,2.55 h1 r90; Mechanical14 "J" at 205.839,2.3 h1 r90; Mechanical14 "K" at 204.439,2.3 h1 r90; Mechanical14 "1" at 197.989,4.15 h1 r90; Mechanical14 "2" at 197.989,6.15 h1 r90; Mechanical14 "L" at 203.039,2.3 h1 r90; Mechanical8 "Top Surface of Mother Board" at 232.289,5.125 h0.5 r90; Mechanical8 "Edge of Daugher Card" at 220.789,6.275 h0.5 r90